# KiCad board video.kicad_pcb (continued)
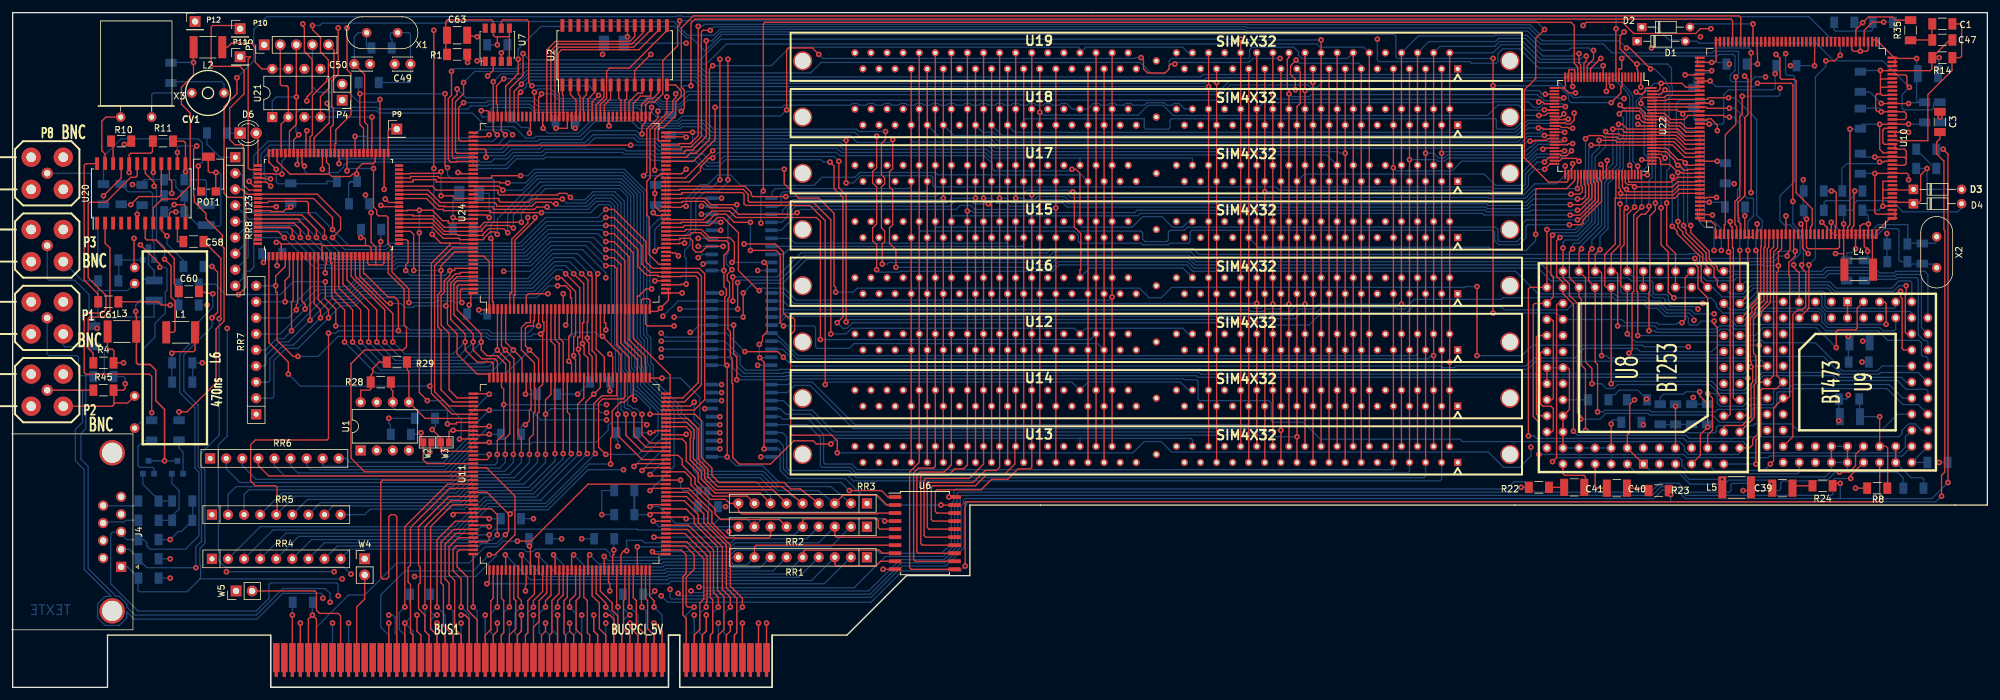
[diagram p0: board, top side]
## Routing (per net, layer and track width the routed paths; a pad name or vN(x,y) marks a point on that pad's centre or on a via; arc(x,y) is an arc through that point) (continued)
/DQ6: length 328
  top_copper w0.2: 280.87,71.17 280.87,69.21 280.54,68.88 280.54,68.33 v1(280.42,68.2) ; v1(92.46,65.4) 92.2,65.4 92.2,53.49 93.5,52.2 93.5,49.35 ; v1(43.05,60.96) 43.05,64.34 43.74,65.02 43.74,68.33 ; v1(114.55,59.82) v1(114.55,64.01) ; U8.10 267.84,39.88 268.61,40.64 268.61,45.72 v1(267.84,46.48) 267.84,61.59 266.32,63.12 266.32,66.42 265.81,66.93 v1(265.81,67.82)
  VCC_layer w0.2: v1(105.41,59.82) 103,62.23 92.84,62.23 92.46,62.61 v1(92.46,65.4)
  bottom_copper w0.2: RR7.8 44.83,60.96 47.24,63.37 53.09,63.37 54.36,64.64 81.41,64.64 85.34,68.58 89.28,68.58 v1(92.46,65.4) ; v1(114.55,59.82) v1(105.41,59.82) ; v1(280.42,68.2) 279.15,68.2 278.26,67.31 266.32,67.31 v1(265.81,67.82) 187.2,67.82 186.18,68.83 164.47,68.83 163.83,68.2 125.09,68.2 121.28,64.39 114.94,64.39 v1(114.55,64.01) ; v1(267.84,46.48) 268.86,46.48 269.37,45.97 269.37,44.96 269.88,44.45 273.43,44.45 274.7,45.72 U9.20
/DQ7: length 332.5
  top_copper w0.2: 92.86,59.44 92.86,55.83 93.22,55.47 ; 93.22,55.47 96.11,52.58 96.11,49.35 ; 93.22,55.47 v1(93.22,55.5) ; v1(113.79,61.09) v1(113.79,64.9) ; v1(277.75,35.31) 278.26,35.81 278.26,44.2 U9.21 280.54,45.72 280.8,45.97 280.8,65.02 280.67,65.15 280.67,67.18 281.69,68.2 v1(281.69,68.96) 281.43,68.96 281.43,71.12 281.51,71.17 ; 43.08,68.33 43.08,66.55 41.55,65.02 v1(41.55,63.5) 41.55,62.48 41.78,62.48 41.78,54.86 44.32,52.32 v1(45.09,52.32)
  VCC_layer w0.2: v1(102.74,58.67) 93.34,58.67 92.96,58.29 92.96,55.5 v1(93.22,55.5)
  bottom_copper w0.2: RR7.9 v1(41.55,63.5) ; v1(102.74,58.67) 105.16,61.09 v1(113.79,61.09) ; v1(281.69,68.96) 279.02,68.96 277.88,67.82 267.08,67.82 266.32,68.58 265.05,68.58 264.92,68.45 187.45,68.45 186.56,69.34 164.08,69.34 163.45,68.71 124.59,68.71 120.78,64.9 v1(113.79,64.9) ; v1(45.09,52.32) 48.26,52.32 51.43,55.5 74.8,55.5 75.31,54.99 87.76,54.99 88.9,56.13 92.2,56.13 92.71,55.5 v1(93.22,55.5) ; U8.9 268.86,34.29 276.73,34.29 v1(277.75,35.31)
/DQ8: length 110.4
  top_copper w0.2: v1(42.93,71.12) 41.94,72.11 38.86,72.11 ; 97.41,49.35 97.41,52.2 95.45,54.15 95.45,66.22 95,66.67 v1(93.73,66.67)
  VCC_layer w0.2: v1(93.73,66.67) 96.52,66.67 96.77,66.93 v1(109.09,66.93)
  bottom_copper w0.2: v1(109.09,66.93) 109.35,67.18 110.36,67.18 ; RR8.9 36.45,64.77 36.45,65.28 36.96,65.79 37.46,65.79 38.1,66.42 38.1,70.87 38.35,71.12 v1(42.93,71.12) 47.75,66.29 50.16,66.29 50.29,66.17 60.45,66.17 60.96,66.67 81.91,66.67 85.09,69.85 90.55,69.85 v1(93.73,66.67)
/DQ9: length 113.1
  top_copper w0.2: v1(93.73,67.94) 95,67.94 96.11,66.83 96.11,54.41 98.7,51.82 98.7,49.35 ; v1(44.2,71.12) 44.2,72.39 43.84,72.75 38.86,72.75
  VCC_layer w0.2: v1(93.73,67.94) 96.27,67.94 96.77,67.44 107.82,67.44 v1(108.33,67.94)
  bottom_copper w0.2: 110.36,68.45 108.97,68.45 108.46,67.94 v1(108.33,67.94) ; v1(93.73,67.94) 91.19,70.48 84.96,70.48 81.66,67.18 60.71,67.18 60.2,66.67 50.42,66.67 50.29,66.8 48.51,66.8 v1(44.2,71.12) 43.31,72.01 38.1,72.01 37.21,71.12 37.21,68.07 RR8.8
/DQ10: length 114.2
  top_copper w0.2: v1(45.47,71.12) 45.47,72.39 44.45,73.41 38.86,73.41 ; v1(93.73,69.21) 95,69.21 96.75,67.46 96.75,54.69 99.36,52.07 99.36,49.35
  VCC_layer w0.2: v1(93.73,69.21) 95.89,69.21 96.39,69.72 103.38,69.72 104.14,68.96 106.3,68.96 107.06,69.72 v1(108.33,69.72)
  bottom_copper w0.2: RR8.7 36.7,70.1 36.7,71.25 37.97,72.52 44.07,72.52 v1(45.47,71.12) 49.28,67.31 50.42,67.31 50.55,67.18 60.07,67.18 60.58,67.69 81.41,67.69 84.84,71.12 91.82,71.12 v1(93.73,69.21) ; 110.36,69.72 v1(108.33,69.72)
/DQ11: length 114.9
  top_copper w0.2: v1(46.74,71.12) 46.74,72.39 45.09,74.04 38.86,74.04 ; v1(93.73,70.48) 95,70.48 97.41,68.07 97.41,54.91 100,52.32 100,49.35
  VCC_layer w0.2: v1(93.73,70.48) 95.76,70.48 96.27,70.99 v1(108.33,70.99)
  bottom_copper w0.2: v1(93.73,70.48) 92.46,71.75 84.71,71.75 81.15,68.2 60.32,68.2 59.82,67.69 50.67,67.69 50.55,67.82 50.04,67.82 v1(46.74,71.12) 44.83,73.02 37.08,73.02 RR8.6 ; 110.36,70.99 v1(108.33,70.99)
/DQ12: length 124.7
  top_copper w0.2: v1(48.01,71.12) 48.01,72.39 45.69,74.7 38.86,74.7 ; v1(93.73,71.75) 95,71.75 98.07,68.68 98.07,55.22 103.89,49.4 103.89,46.43 103.58,46.43
  VCC_layer w0.2: v1(111.89,72.26) 96.27,72.26 95.76,71.75 v1(93.73,71.75)
  bottom_copper w0.2: RR8.5 36.83,73.66 36.96,73.53 45.59,73.53 v1(48.01,71.12) 50.93,68.2 59.56,68.2 60.07,68.71 80.9,68.71 84.58,72.39 93.09,72.39 v1(93.73,71.75) ; v1(111.89,72.26) 110.36,72.26
/DQ13: length 139.9
  top_copper w0.2: v1(49.28,71.12) 49.28,72.39 46.74,74.93 46.74,76.58 46.48,76.83 40.46,76.83 40.26,76.63 38.99,76.63 38.86,76.66 ; v1(93.73,73.02) 95,73.02 98.81,69.21 98.81,66.55 100.2,65.15 101.98,65.15 101.98,64.95 105.66,64.95 105.74,65.02 107.95,65.02 108.33,64.64 108.33,48.18 105.92,45.77 103.58,45.77
  VCC_layer w0.2: v1(93.73,73.02) 108.33,73.02 108.84,73.53 v1(111.89,73.53)
  bottom_copper w0.2: RR8.4 37.34,74.04 46.35,74.04 v1(49.28,71.12) 51.69,68.71 59.31,68.71 59.82,69.21 80.65,69.21 84.46,73.02 v1(93.73,73.02) ; 110.36,73.53 v1(111.89,73.53)
/DQ14: length 129.9
  top_copper w0.2: RR8.3 36.2,78.74 36.98,77.95 38.76,77.95 ; v1(93.73,74.29) 95,74.29 99.44,69.85 99.44,66.93 100.76,65.61 108.25,65.61 108.84,65.02 108.84,47.8 106.17,45.14 103.58,45.14 ; 38.86,77.95 39.62,77.98 48.13,77.98 51.82,74.29 51.82,72.39 v1(50.55,71.12)
  VCC_layer w0.2: v1(108.84,74.8) 108.33,74.8 107.06,73.53 95.38,73.53 94.62,74.29 v1(93.73,74.29)
  bottom_copper w0.2: 110.36,74.8 v1(108.84,74.8) ; v1(93.73,74.29) 93.09,73.66 84.33,73.66 80.39,69.72 59.56,69.72 59.05,69.21 52.45,69.21 v1(50.55,71.12)
/DQ15: length 149.4
  top_copper w0.2: v1(93.73,75.56) 95,75.56 100.08,70.48 100.08,67.31 101.14,66.24 108.51,66.24 109.35,65.4 109.35,45.47 107.7,43.84 103.58,43.84 ; v1(50.55,72.39) 50.55,74.29 47.55,77.29 38.86,77.29
  VCC_layer w0.2: v1(93.73,75.56) 94.23,75.56 95.76,74.04 106.3,74.04 108.33,76.07 v1(108.84,76.07)
  bottom_copper w0.2: 110.36,76.07 v1(108.84,76.07) ; RR8.2 35.94,81.28 36.32,80.9 36.32,78.87 37.34,77.85 37.34,75.44 37.72,75.06 47.88,75.06 v1(50.55,72.39) 53.21,69.72 58.8,69.72 59.31,70.23 80.14,70.23 84.2,74.29 92.46,74.29 v1(93.73,75.56)
/DQ16: length 87.6
  top_copper w0.2: v1(75.31,24.13) 75.31,23.33 74.99,23.01 72.39,23.01
  VCC_layer w0.2: v1(113.16,24.64) 113.16,26.16 113.41,26.42 113.41,29.46 111.76,31.11 v1(111.76,37.72)
  bottom_copper w0.2: v1(113.16,24.64) 112.65,24.64 112.4,24.89 98.81,24.89 98.68,25.02 76.2,25.02 v1(75.31,24.13) 73.66,24.13 72.39,22.86 49.28,22.86 RR4.7 ; 110.36,37.72 v1(111.76,37.72)
/DQ17: length 78.5
  top_copper w0.2: 78.36,27.43 78.36,24.64 v1(77.85,24.13) ; 78.36,27.43 74.96,30.84 72.39,30.84 ; 78.36,27.43 v1(78.61,27.43)
  VCC_layer w0.2: v1(96.52,34.42) 96.52,35.18 99.29,37.95 108.79,37.95 109.83,38.99 v1(111.76,38.99)
  bottom_copper w0.2: RR4.9 53.34,21.84 73.15,21.84 74.04,22.73 76.45,22.73 v1(77.85,24.13) ; v1(78.61,27.43) 79.25,28.07 84.58,28.07 90.93,34.42 v1(96.52,34.42) ; 110.36,38.99 v1(111.76,38.99)
/DQ18: length 78.5
  top_copper w0.2: v1(75.31,38.73) 75.31,38.63 72.39,38.63
  VCC_layer w0.2: v1(100.2,41.53) 106.43,41.53 107.7,40.26 v1(111.76,40.26)
  bottom_copper w0.2: 110.36,40.26 v1(111.76,40.26) ; RR6.6 43.91,35.06 45.06,33.91 68.71,33.91 73.53,38.73 v1(75.31,38.73) 75.56,38.48 81.91,38.48 82.17,38.73 92.2,38.73 94.11,40.64 94.11,41.4 94.62,41.91 99.82,41.91 v1(100.2,41.53)
/DQ19: length 74
  top_copper w0.2: 72.39,43.84 75.31,43.84 v1(75.31,43.81)
  VCC_layer w0.2: v1(111.76,41.53) 107.19,41.53 106.68,42.04 100.97,42.04 100.71,42.29 v1(93.85,42.29)
  bottom_copper w0.2: RR6.8 48.99,35.06 49.12,34.92 68.2,34.92 72.77,39.5 72.77,41.27 v1(75.31,43.81) 81.91,43.81 83.44,42.29 v1(93.85,42.29) ; 110.36,41.53 v1(111.76,41.53)
/DQ20: length 95.7
  top_copper w0.2: 77.24,49.35 77.24,47.5 77.6,47.14 v1(77.6,44.7) 77.6,40 76.58,38.99 v1(76.58,36.83)
  VCC_layer w0.2: v1(111.76,42.8) 111.76,43.69 109.47,45.97 100.46,45.97 99.19,44.7 v1(93.85,44.7)
  bottom_copper w0.2: RR6.3 36.29,35.06 38.46,32.89 69.22,32.89 71.5,35.18 76.2,35.18 76.58,35.56 v1(76.58,36.83) ; v1(93.85,44.7) v1(77.6,44.7) ; 110.36,42.8 v1(111.76,42.8)
/DQ21: length 84.6
  top_copper w0.2: 85.06,49.35 85.06,46.33 84.2,45.47 v1(84.2,43.18) v1(84.2,36.83)
  VCC_layer w0.2: v1(93.85,43.43) 94.62,43.43 95.25,44.07 v1(109.35,44.07)
  bottom_copper w0.2: v1(84.2,43.18) 85.09,44.07 92.33,44.07 92.96,43.43 v1(93.85,43.43) ; 110.36,44.07 v1(109.35,44.07) ; v1(84.2,36.83) 84.2,35.56 80.77,32.13 73.03,32.13 70.61,29.72 46.61,29.72 RR5.6
/DQ22: length 104.6
  top_copper w0.2: v1(90.81,36.96) 90.55,37.21 90.55,45.08 v1(91.82,46.35) 92.86,47.4 92.86,49.35
  VCC_layer w0.2: v1(112.01,45.34) 112.78,45.34 113.03,45.59 113.03,48.39 112.78,48.64 105.16,48.64 104.01,49.78 93.09,49.78 92.84,49.53 92.84,47.37 v1(91.82,46.35)
  bottom_copper w0.2: 110.36,45.34 v1(112.01,45.34) ; v1(90.81,36.96) 83.44,29.59 74.8,29.59 70.1,24.89 41.15,24.89 RR4.3
/DQ23: length 91.7
  top_copper w0.2: 98.04,46.1 98.07,46.13 98.07,49.35 ; 98.04,46.1 98.04,45.85 98.3,45.59 v1(98.3,45.47) ; 98.04,46.1 97.66,46.1 96.65,45.08 96.01,45.08 94.74,43.69 94.74,39.62 94.49,39.37 v1(94.49,35.31)
  VCC_layer w0.2: v1(112.01,46.61) 99.95,46.61 98.81,45.47 v1(98.3,45.47)
  bottom_copper w0.2: v1(94.49,35.31) 91.06,35.31 84.33,28.57 75.31,28.57 70.61,23.88 45.21,23.88 RR4.5 ; 110.36,46.61 v1(112.01,46.61)
/DQ24: length 49.1
  top_copper w0.2: 139.32,28.83 138.18,28.83 136.65,30.35 131.19,30.35 RR3.3 ; 103.58,44.48 107.09,44.48 v1(107.7,45.08)
  bottom_copper w0.2: RR3.3 127.25,31.11 120.9,31.11 118.36,33.66 109.73,33.66 108.59,34.8 108.59,41.4 107.7,42.29 v1(107.7,45.08)
/DQ25: length 41.4
  top_copper w0.2: 139.32,27.56 136.78,27.56 136.65,27.43 115.19,27.43 114.68,27.94 RR3.9 113.28,29.08 112.65,29.72 110.24,29.72 107.82,32.13 107.82,33.15 105.79,35.18 105.79,36.07 105.16,36.68 103.58,36.68
/DQ26: length 44.5
  top_copper w0.2: 103.58,28.88 100.71,28.88 v1(100.71,28.57) ; 139.32,26.29 v1(137.8,26.29)
  bottom_copper w0.2: v1(137.8,26.29) 137.41,26.67 118.36,26.67 RR2.8 115.95,26.67 111.63,26.67 110.87,25.91 104.78,25.91 102.11,28.57 v1(100.71,28.57)
/DQ27: length 43.4
  top_copper w0.2: 139.32,25.02 137.03,25.02 136.78,25.27 136.78,26.42 136.53,26.67 125.09,26.67 124.84,26.42 RR2.5 ; v1(101.35,23.75) 101.35,23.67 103.58,23.67
  bottom_copper w0.2: v1(101.35,23.75) 113.79,23.75 114.17,24.13 123.57,24.13 RR2.5
/DQ28: length 47.5
  top_copper w0.2: RR2.3 129.92,24 130.18,23.75 139.32,23.75 ; 98.7,18.16 v1(98.7,22.22)
  bottom_copper w0.2: v1(98.7,22.22) 113.54,22.22 114.17,22.86 127.38,22.86 RR2.3
/DQ29: length 54.3
  top_copper w0.2: v1(91.19,20.95) 90.91,20.95 90.91,18.16 ; RR1.8 117.22,22.22 117.47,22.48 139.32,22.48
  bottom_copper w0.2: RR1.8 116,19.35 113.94,19.35 113.49,19.81 102.87,19.81 102.62,19.56 92.58,19.56 v1(91.19,20.95)
/DQ30: length 63.1
  top_copper w0.2: RR1.5 124.97,20.7 124.97,21.46 125.22,21.72 136.91,21.72 137.41,21.21 139.32,21.21 ; 83.11,18.16 83.11,20.95 v1(82.93,20.95)
  bottom_copper w0.2: RR1.5 122.17,17.91 113.28,17.91 112.9,18.29 103.38,18.29 103.12,18.03 85.85,18.03 v1(82.93,20.95)
/DQ31: length 69.3
  top_copper w0.2: RR1.3 129.92,19.43 130.18,19.18 136.4,19.18 137.16,19.94 139.32,19.94 ; v1(77.85,20.95) 77.9,20.95 77.9,18.16
  bottom_copper w0.2: v1(77.85,20.95) 81.79,17.02 103.5,17.02 103.76,17.27 112.52,17.27 112.9,16.89 126.24,16.89 RR1.3
/ESVIDEO-RVB/OE_RVB-: length 68.6
  top_copper w0.2: v1(243.33,35.69) 243.97,36.32 243.97,60.45 244.22,60.71 U8.57
  bottom_copper w0.2: U9.29 282.32,34.04 282.07,33.78 265.05,33.78 263.78,35.05 263.78,35.94 263.4,36.32 243.97,36.32 v1(243.33,35.69)
/ESVIDEO-RVB/REF+: length 32.9
  top_copper w0.2: U8.82 v1(252.6,41.66) ; U8.65 245.75,50.55 246,50.29 246,43.94 U8.71 U8.73 U8.76 ; U8.66 U8.64
  bottom_copper w0.2: U8.82 U8.80 U8.78 U8.76 ; v1(252.6,41.66) 252.6,42.04 252.86,42.29 254.13,42.29 254.13,41.91 ; U8.64 U8.65
/ESVIDEO-RVB/VAA: length 119.4
  top_copper w0.2: U9.34 U9.33 ; U8.44 U8.43 ; U9.1 U9.2 ; U8.1 U8.84 255.14,39.88 255.52,40.26 255.52,44.7 v1(256.29,45.47) ; v1(270.13,32.89) 270.13,31.62 ; U9.36 U9.35
  VCC_layer w0.2: U8.44 257.68,51.18 256.29,49.78 v1(256.29,45.47) ; U9.34 287.4,41.91 287.66,42.16 v1(288.54,42.16) ; U9.2 289.94,55.63 v1(290.07,55.5) v1(290.07,46.23)
  bottom_copper w0.2: U8.1 258.7,34.29 263.53,34.29 264.92,32.89 v1(270.13,32.89) 270.51,33.27 286.38,33.27 287.4,34.29 U9.33 U9.35 289.94,34.29 290.19,34.04 297.81,34.04 298.7,33.15 298.7,31.5 ; 255.02,45.47 v1(256.29,45.47) ; 290.07,51.43 v1(290.07,55.5) ; U9.34 U9.36 ; v1(288.54,42.16) 288.54,45.59 289.81,45.59 290.07,45.85 v1(290.07,46.23)
/F_PALIN: length 250.9
  top_copper w0.2: v1(113.03,80.26) v1(113.03,99.31) ; v1(106.43,63.75) 105.66,63.75 105.66,63.65 103.58,63.65 ; v1(278.64,100.08) 279.27,99.44 279.27,96.39 279.53,96.14 281.56,96.14 281.81,95.88 281.81,78.23 284.35,75.69 284.35,73.02 284.1,72.77 284.1,71.25
  GND_layer w0.2: v1(278.64,100.08) 278.64,104.52 277.5,105.66 247.01,105.66 246.63,105.28 114.68,105.28 114.3,104.9 114.3,100.58 v1(113.03,99.31)
  bottom_copper w0.2: v1(106.43,63.75) 106.43,67.82 106.17,68.07 106.17,69.09 107.06,69.98 107.06,71.37 107.95,72.26 107.95,76.96 109.35,78.36 111.51,78.36 113.03,79.88 v1(113.03,80.26)
/graphic/14MHZOUT: length 30.5
  top_copper w0.2: 91.57,90.63 91.57,92.58 v1(92.58,93.6) ; 77.22,104.27 77.22,105.28 77.47,105.54 81.28,105.54 81.53,105.28 81.53,95.63 v1(82.04,95.12)
  bottom_copper w0.2: v1(82.04,95.12) 91.06,95.12 v1(92.58,93.6)
/graphic/CCLK: length 18.7
  top_copper w0.2: 42.44,84.33 42.44,85.54 42.42,85.57 42.42,89.03 U21.2 43.56,94.87 43.31,95.12 42.54,95.12 42.29,95.38 P5.2
/graphic/CLK10MHz: length 67
  top_copper w0.2: v1(68.71,82.17) 68.33,82.55 v1(68.33,93.85) ; 55.45,84.33 55.45,88.39 54.86,88.98 v1(54.86,93.85) ; v1(75.56,70.99) 75.82,70.74 75.82,60.96 75.95,60.96 75.95,59.44
  bottom_copper w0.2: v1(68.33,93.85) v1(54.86,93.85) 54.67,94.05 R21.2 ; v1(75.56,70.99) 75.56,73.15 76.07,73.66 76.07,80.14 75.82,80.39 69.34,80.39 68.71,81.03 v1(68.71,82.17)
/graphic/CSIO-: length 43.6
  top_copper w0.2: 72.39,62.99 70.99,62.99 70.74,62.74 70.74,61.09 v1(70.99,60.83) ; v1(52.83,81.66) 52.83,84.33 ; v1(57.02,82.04) 57.02,75.95 57.53,75.44 57.53,74.8 57.79,74.55 59.05,74.55 59.31,74.29 59.31,70.1 59.94,69.47 59.94,65.66 62.61,62.99 v1(62.61,60.83)
  bottom_copper w0.2: v1(70.99,60.83) 69.85,60.83 69.6,61.09 67.06,61.09 66.8,60.83 v1(62.61,60.83) ; v1(57.02,82.04) 53.21,82.04 v1(52.83,81.66)
/graphic/DIN: length 24.3
  top_copper w0.2: P5.3 v1(44.83,93.34) 44.83,89.03 43.74,87.93 43.74,84.33
  bottom_copper w0.2: v1(44.83,93.34) 41.66,93.34 41.02,92.71 U21.1
/graphic/DONE: length 27.1
  top_copper w0.2: 58.04,84.33 v1(58.04,92.96)
  bottom_copper w0.2: P5.4 47.37,95 48.26,94.11 53.09,94.11 54.67,92.52 57.59,92.52 v1(58.04,92.96)
/graphic/HDOUT: length 49.1
  top_copper w0.2: v1(73.41,99.06) 74.55,99.06 74.68,98.93 ; 79.2,59.44 79.2,61.98 79.38,61.98 79.38,70.74 82.55,73.91 v1(82.55,74.29)
  VCC_layer w0.2: v1(73.41,99.06) 73.41,98.43 74.05,97.79 78.87,97.79 79.5,97.15 79.5,93.34 82.55,90.3 v1(82.55,74.29)
/graphic/HDREFOUT: length 46.4
  top_copper w0.2: v1(81.41,74.29) 81.41,73.41 78.87,70.87 78.87,62.36 78.56,62.36 78.56,59.44 ; v1(75.06,96.65) 75.95,97.53 U7.2
  VCC_layer w0.2: v1(75.06,96.65) 75.5,97.09 78.3,97.09 78.99,96.39 78.99,93.22 80.39,91.82 80.39,85.47 81.41,84.45 v1(81.41,74.29)
/graphic/IA0: length 5.2
  top_copper w0.2: U2.6 93.44,95.03 93.44,93.33 92.2,92.1 92.2,90.63
/graphic/IA1: length 5
  top_copper w0.2: 93.5,90.63 93.5,92.07 94.49,93.07 U2.7
/graphic/IA2: length 4.8
  top_copper w0.2: 96.11,90.63 96.11,92.84 95.76,93.19 U2.8
/graphic/IA3: length 4.7
  top_copper w0.2: U2.9 97.03,93.12 96.75,92.84 96.75,90.63
/graphic/IA4: length 5.9
  top_copper w0.2: U2.11 99.57,94.05 99.47,93.95 98.77,93.95 97.41,92.58 97.41,90.63
/graphic/IA5: length 6.7
  top_copper w0.2: U2.12 100.84,93.47 99.19,93.47 98.07,92.35 98.07,90.63
/graphic/IA6: length 6.2
  top_copper w0.2: U2.13 102.11,94.05 101.13,93.07 100.31,93.07 99.36,92.13 99.36,90.63
/graphic/IA7: length 13.9
  top_copper w0.2: 103.58,86.41 102.11,86.41 101.98,86.54 101.98,88.14 102.36,88.52 102.87,88.52 104.78,90.42 104.78,92.62 105.65,93.49 105.65,94.34 104.74,95.25 104.74,95.25 U2.14
/graphic/IA8: length 20.2
  top_copper w0.2: U2.15 103.38,103.84 97.45,97.92 94.36,97.92 93.85,97.41 93.85,93.14 92.86,92.14 92.86,90.63
/graphic/IA9: length 5
  top_copper w0.2: 90.91,90.63 90.93,91.06 90.93,93.03 91.95,94.05 U2.5
/graphic/ICAS-: length 27.2
  top_copper w0.2: U2.17 100.84,103.95 98.11,101.22 86.31,101.22 85.7,100.61 85.7,90.63
/graphic/ID0: length 4.7
  top_copper w0.2: 87,90.63 87,93.6 86.87,93.73 86.87,95.25
/graphic/ID1: length 5
  top_copper w0.2: 88.95,90.63 89.03,91.06 89.03,92.84 88.14,93.73 88.14,95.25
/graphic/ID2: length 26.9
  top_copper w0.2: U2.18 99.57,103.45 97.84,101.72 86.1,101.72 85.06,100.69 85.06,90.63
/graphic/ID3: length 26.7
  top_copper w0.2: U2.19 98.3,102.91 97.51,102.12 85.74,102.12 84.4,100.79 84.4,90.63
/graphic/IOE-: length 27.8
  top_copper w0.2: 86.36,90.63 86.36,93.95 86.23,94.07 86.23,100.33 86.72,100.82 98.98,100.82 102.11,103.95 U2.16
/graphic/IRAS-: length 4.8
  top_copper w0.2: 90.25,90.63 90.17,91.44 90.17,93.22 90.68,93.73 U2.4
/graphic/IWR-: length 4.7
  top_copper w0.2: 89.61,90.63 89.66,91.06 89.66,93.47 89.41,93.73 89.41,95.25
/graphic/LED: length 5.2
  top_copper w0.2: 38.76,82.5 38.76,87.35 D6.2
/graphic/PROG*: length 29.2
  top_copper w0.2: U21.4 48.64,93.4 50.02,94.78 50.02,96.05 50.76,96.79 50.76,100.75 P5.5 ; v1(56.77,90.17) 56.77,86.36 56.74,86.33 56.74,84.33
  bottom_copper w0.2: U21.3 U21.4 v1(56.77,90.17)
/graphic/RESERV1: length 83.3
  top_copper w0.2: v1(54.1,87.12) 54.1,84.33 54.15,84.33 ; 103.58,64.29 v1(101.47,64.29)
  VCC_layer w0.2: v1(78.99,87.38) 79.38,87.25 79.38,74.68 77.47,72.77 77.47,70.99 77.6,70.87 v1(77.6,65.79) ; v1(101.47,64.29) 100.33,64.29 98.93,62.89 93.98,62.89 93.73,63.14 v1(93.73,64.77)
  bottom_copper w0.2: v1(77.6,65.79) 81.79,65.79 85.22,69.21 90.04,69.21 93.73,65.53 v1(93.73,64.77) ; v1(78.99,87.38) 78.23,88.14 73.79,88.14 72.26,86.87 56.01,86.87 55.75,87.12 v1(54.1,87.12)
/graphic/VOSC: length 25.9
  top_copper w0.2: 76.58,102.87 78.49,102.87 ; 76.58,102.87 76.2,102.87 75.95,103.12 U7.7 ; 76.58,102.87 v1(76.58,101.6) ; 75.95,104.27 75.95,105.28 75.69,105.54 68.71,105.54 68.45,105.28 68.45,100.46 68.58,100.08 ; 78.49,98.93 78.49,104.27
  bottom_copper w0.2: 74.93,101.6 v1(76.58,101.6)
/graphic/X_DIN: length 51.4
  top_copper w0.2: v1(77.85,87.38) 77.22,88.01 77.22,90.55 ; v1(40.77,79.25) 40.13,79.88 39.12,79.88 38.86,79.91
  bottom_copper w0.2: v1(40.77,79.25) 39.24,80.77 39.24,84.33 40.64,85.72 76.58,85.72 77.85,86.99 v1(77.85,87.38)
/graphic/XTAL_I: length 24.7
  top_copper w0.2: C50.1 55.61,96.92 55.61,89.37 56.08,88.9 56.08,84.33
  bottom_copper w0.2: C50.1 53.98,102.87 54.61,103.5 X1.2 55.88,101.35 56.13,101.09 56.64,101.09
/GREEN_IN: length 424.5
  top_copper w0.2: v1(304.8,30.23) 304.8,33.53 305.31,34.04 305.31,72.26 305.18,72.39 305.18,83.18 304.04,84.33 304.04,86.23 304.55,86.74 304.55,87.76 ; v1(262,30.48) 262,31.11 261.75,31.11 ; P2.1 12.7,46.99
  VCC_layer w0.2: v1(103.89,15.49) 102.87,16.51 76.58,16.51 75.69,15.62 52.71,15.62 52.2,16.13 49.15,16.13 49.02,16 v1(49.02,14.1)
  bottom_copper w0.2: v1(304.8,30.23) 303.91,29.34 262,29.34 ; 262,29.34 v1(262,30.48) ; 262,29.34 151,29.34 150.75,29.08 150.75,28.83 150.37,28.45 150.37,22.1 147.45,19.18 140.59,19.18 135.64,14.22 109.73,14.22 109.47,13.97 104.14,13.97 103.89,14.22 v1(103.89,15.49) ; P2.1 10.79,46.99 11.05,46.74 11.05,41.91 9.91,40.77 9.91,35.81 11.3,34.42 11.3,18.67 15.58,14.39 14.62,14.39 13.42,13.19 13.42,10.99 14.62,9.79 16.83,9.79 18.03,10.99 18.03,11.95 19.18,10.79 38.61,10.79 42.67,14.86 48.77,14.86 49.02,14.6 v1(49.02,14.1)
/GREEN_OUT: length 355.9
  top_copper w0.2: v1(31.5,58.42) 32.38,59.31 32.38,65.66 v1(31.5,66.55) ; U9.38 291.21,36.83 291.21,35.05 290.19,34.04 v1(288.67,34.04)
  VCC_layer w0.2: v1(63.5,17.53) 60.83,17.53 56.77,21.59 54.23,21.59 54.1,21.46 54.1,19.69 53.47,19.05 52.71,19.05 51.94,18.29 v1(50.8,18.29) ; v1(33.78,18.29) 29.59,18.29 v1(28.96,18.92)
  bottom_copper w0.2: v1(63.5,17.53) 73.15,17.53 76.45,20.83 76.45,21.21 77.09,21.84 80.77,21.84 81.15,21.46 82.17,21.46 82.55,21.84 93.73,21.84 94.36,21.21 94.36,20.83 94.62,20.57 101.98,20.57 102.24,20.83 113.31,20.83 114.2,21.72 136.53,21.72 137.03,21.21 146.81,21.21 148.34,22.73 148.34,29.08 148.72,29.46 148.72,31.11 148.97,31.37 236.09,31.37 237.24,32.51 238.89,32.51 240.54,30.86 258.83,30.86 260.22,32.26 263.27,32.26 264.67,30.86 271.27,30.86 271.53,31.11 271.53,32 271.78,32.26 274.95,32.26 275.21,32 275.21,31.37 275.46,31.11 279.15,31.11 279.4,31.37 279.4,32.38 279.65,32.64 286.64,32.64 288.04,34.04 v1(288.67,34.04) ; v1(31.5,58.42) 31.5,57.02 27.05,52.58 27.05,46.86 29.31,44.61 29.31,34.89 29.84,34.36 29.84,23.11 28.96,22.22 v1(28.96,18.92) 21.21,18.92 19.81,20.32 19.94,20.32 18.41,21.84 16.89,21.84 ; v1(50.8,18.29) v1(33.78,18.29) ; 30.23,66.55 v1(31.5,66.55)
/HD_PAL-: length 212
  top_copper w0.2: v1(101.47,68.96) 101.6,68.96 101.98,69.34 101.98,69.49 103.58,69.49 ; v1(107.19,95.12) 107.19,105.03 107.82,105.66 271.53,105.66 271.78,105.41 271.78,102.36 271.75,102.36 ; v1(101.47,81.79) 101.47,88.26 104.33,91.12 104.33,92.78 104.77,93.22 v1(104.77,93.85)
  bottom_copper w0.2: v1(104.77,93.85) 106.05,95.12 v1(107.19,95.12) ; v1(101.47,68.96) 101.47,72.39 103.63,74.55 103.63,80.77 102.62,81.79 v1(101.47,81.79)
/IRQ-: length 33.5
  top_copper w0.2: 72.39,44.48 68.94,44.48 66.68,46.74 66.68,66.67 69.49,69.49 72.39,69.49
/IRQ_SRL: length 105
  top_copper w0.2: RR2.7 119.76,23.88 119.51,23.62 112.9,23.62 110.49,26.03 110.49,27.79 106.81,31.47 101.07,31.47 v1(100.71,31.11) ; v1(77.47,78.61) 76.84,79.25 72.39,79.25
  bottom_copper w0.2: v1(100.71,31.11) 104.52,34.92 104.52,43.94 100.2,48.26 100.2,50.67 99.82,51.05 99.82,54.86 99.19,55.5 99.19,78.1 96.39,80.9 82.8,80.9 80.52,78.61 v1(77.47,78.61)
/modul/CHROM: length 54.8
  top_copper w0.2: 26.04,82.93 v1(26.04,84.58) ; v1(26.29,43.56) 27.56,43.56 32.13,48.13 32.13,56.64 33.4,57.91 33.4,69.47 33.15,69.72 33.15,71.5 30.53,74.12 30.53,74.93 28.72,76.74 28.72,77.68 28.59,77.8 28.59,85.11 v1(29.08,85.6)
  bottom_copper w0.2: v1(26.04,84.58) 26.04,85.34 26.29,85.6 v1(29.08,85.6) ; v1(26.29,43.56) 26.29,42.29
/modul/CVBS: length 12.1
  top_copper w0.2: v1(18.67,76.33) 19.94,77.6 23.24,77.6 23.49,77.85 23.49,82.93
  bottom_copper w0.2: v1(18.67,76.33) 17.15,76.33
/modul/CVBSOUT: length 21
  bottom_copper w0.2: 13.46,67.56 13.46,73.66 12.45,74.68 12.45,81.03 12.19,81.28 P8.1
/modul/LUM: length 60.1
  top_copper w0.2: 19.68,82.93 19.68,80.9 19.43,80.64 18.67,80.64 14.73,76.71 12.19,76.71 11.94,76.45 11.94,64.77 14.73,61.98 14.73,59.82 14.1,59.18 11.56,59.18 11.3,58.93 11.3,49.78 11.56,49.53 21.59,49.53 21.97,49.15 v1(21.97,43.43)
  bottom_copper w0.2: 21.97,42.29 v1(21.97,43.43)
/MXA0: length 227.6
  top_copper w0.2: 72.39,83.16 70.1,83.16 70.1,83.06 69.22,83.06 68.83,83.44 68.83,93.09 69.34,93.6 v1(69.34,97.39) ; U19.12 U18.12 U15.12 U16.12 U12.12 U14.12 U13.12
  bottom_copper w0.2: U19.12 213.49,101.22 206.63,101.22 206.12,101.73 112.78,101.73 109.6,98.55 80.22,98.55 79.51,97.84 69.79,97.84 v1(69.34,97.39)
/MXA1: length 228.1
  top_copper w0.2: v1(70.23,94.61) 70.23,93.73 69.47,92.96 69.47,83.95 69.72,83.69 70.23,83.69 70.23,83.79 72.39,83.79 ; v1(202.69,94.49) 202.69,96.14 201.93,96.9 201.93,98.3 v1(202.82,99.19) ; U19.13 U18.13 U17.13 U15.13 U16.13 U14.13 213.11,35.56
  bottom_copper w0.2: v1(202.82,99.19) 203.33,98.68 212.73,98.68 213.11,98.3 U19.13 ; v1(202.69,94.49) 202.44,94.74 192.79,94.74 190.88,92.84 106.62,92.84 105.6,91.82 102.28,91.82 101.66,92.44 100.48,92.44 100.09,92.05 91.7,92.05 91.47,92.28 86.28,92.28 86.26,92.31 83.33,92.31 82.42,93.22 71.63,93.22 v1(70.23,94.61)
/MXA2: length 224.2
  top_copper w0.2: U19.14 U18.14 U15.14 U16.14 U12.14 U14.14 U13.14 ; 72.39,84.45 70.23,84.45 69.98,84.71 69.98,92.58 71.25,93.85 v1(71.25,95.63)
  bottom_copper w0.2: U19.14 210.95,99.44 203.71,99.44 203.2,99.95 203.2,100.46 202.44,101.22 195.83,101.22 195.45,100.84 195.45,99.57 195.33,99.44 183.13,99.44 182.75,99.06 182.75,97.79 181.99,97.03 179.96,97.03 178.18,98.81 127.76,98.81 126.11,97.15 109.6,97.15 108.71,98.04 80.28,98.04 79.63,97.39 73.01,97.39 v1(71.25,95.63)
/MXA3: length 204.4
  top_copper w0.2: U19.15 U18.15 v1(210.57,84.45) U17.15 U15.15 U16.15 U14.15 210.57,35.56 ; 72.39,85.09 74.55,85.09 74.8,84.84 v1(74.8,83.82)
  bottom_copper w0.2: v1(74.8,83.82) 75.06,84.07 77.85,84.07 78.87,85.09 83.19,85.09 83.69,85.6 90.68,85.6 91.95,86.87 98.17,86.87 98.81,86.23 101.47,86.23 102.24,85.47 107.82,85.47 108.59,86.23 130.81,86.23 131.32,85.72 154.05,85.72 155.07,84.71 209.42,84.71 209.68,84.45 v1(210.57,84.45)
/MXA4: length 201.2
  top_copper w0.2: v1(97.66,85.72) 72.39,85.72 ; U19.16 U18.16 U15.16 U16.16 U12.16 U14.16 U13.16
  bottom_copper w0.2: 209.3,82.55 207.64,84.2 154.81,84.2 153.92,85.09 131.19,85.09 130.56,85.72 109.09,85.72 108.2,84.84 102.11,84.84 101.22,85.72 v1(97.66,85.72)